# Altium PCB MB1312.PcbDoc (part 2 of 4)
Units mil, origin at the board's own origin, x right, y up, seen from the top; angles counter-clockwise.
Board outline 2755.91 x 5249.6 mil, 6 copper layers (Top Layer, GND, Signal, PWR, GND (Mid2), Bottom Layer), stack 74.545 mil thick; 297 components, 280 nets, 1142 pads, 623 vias.
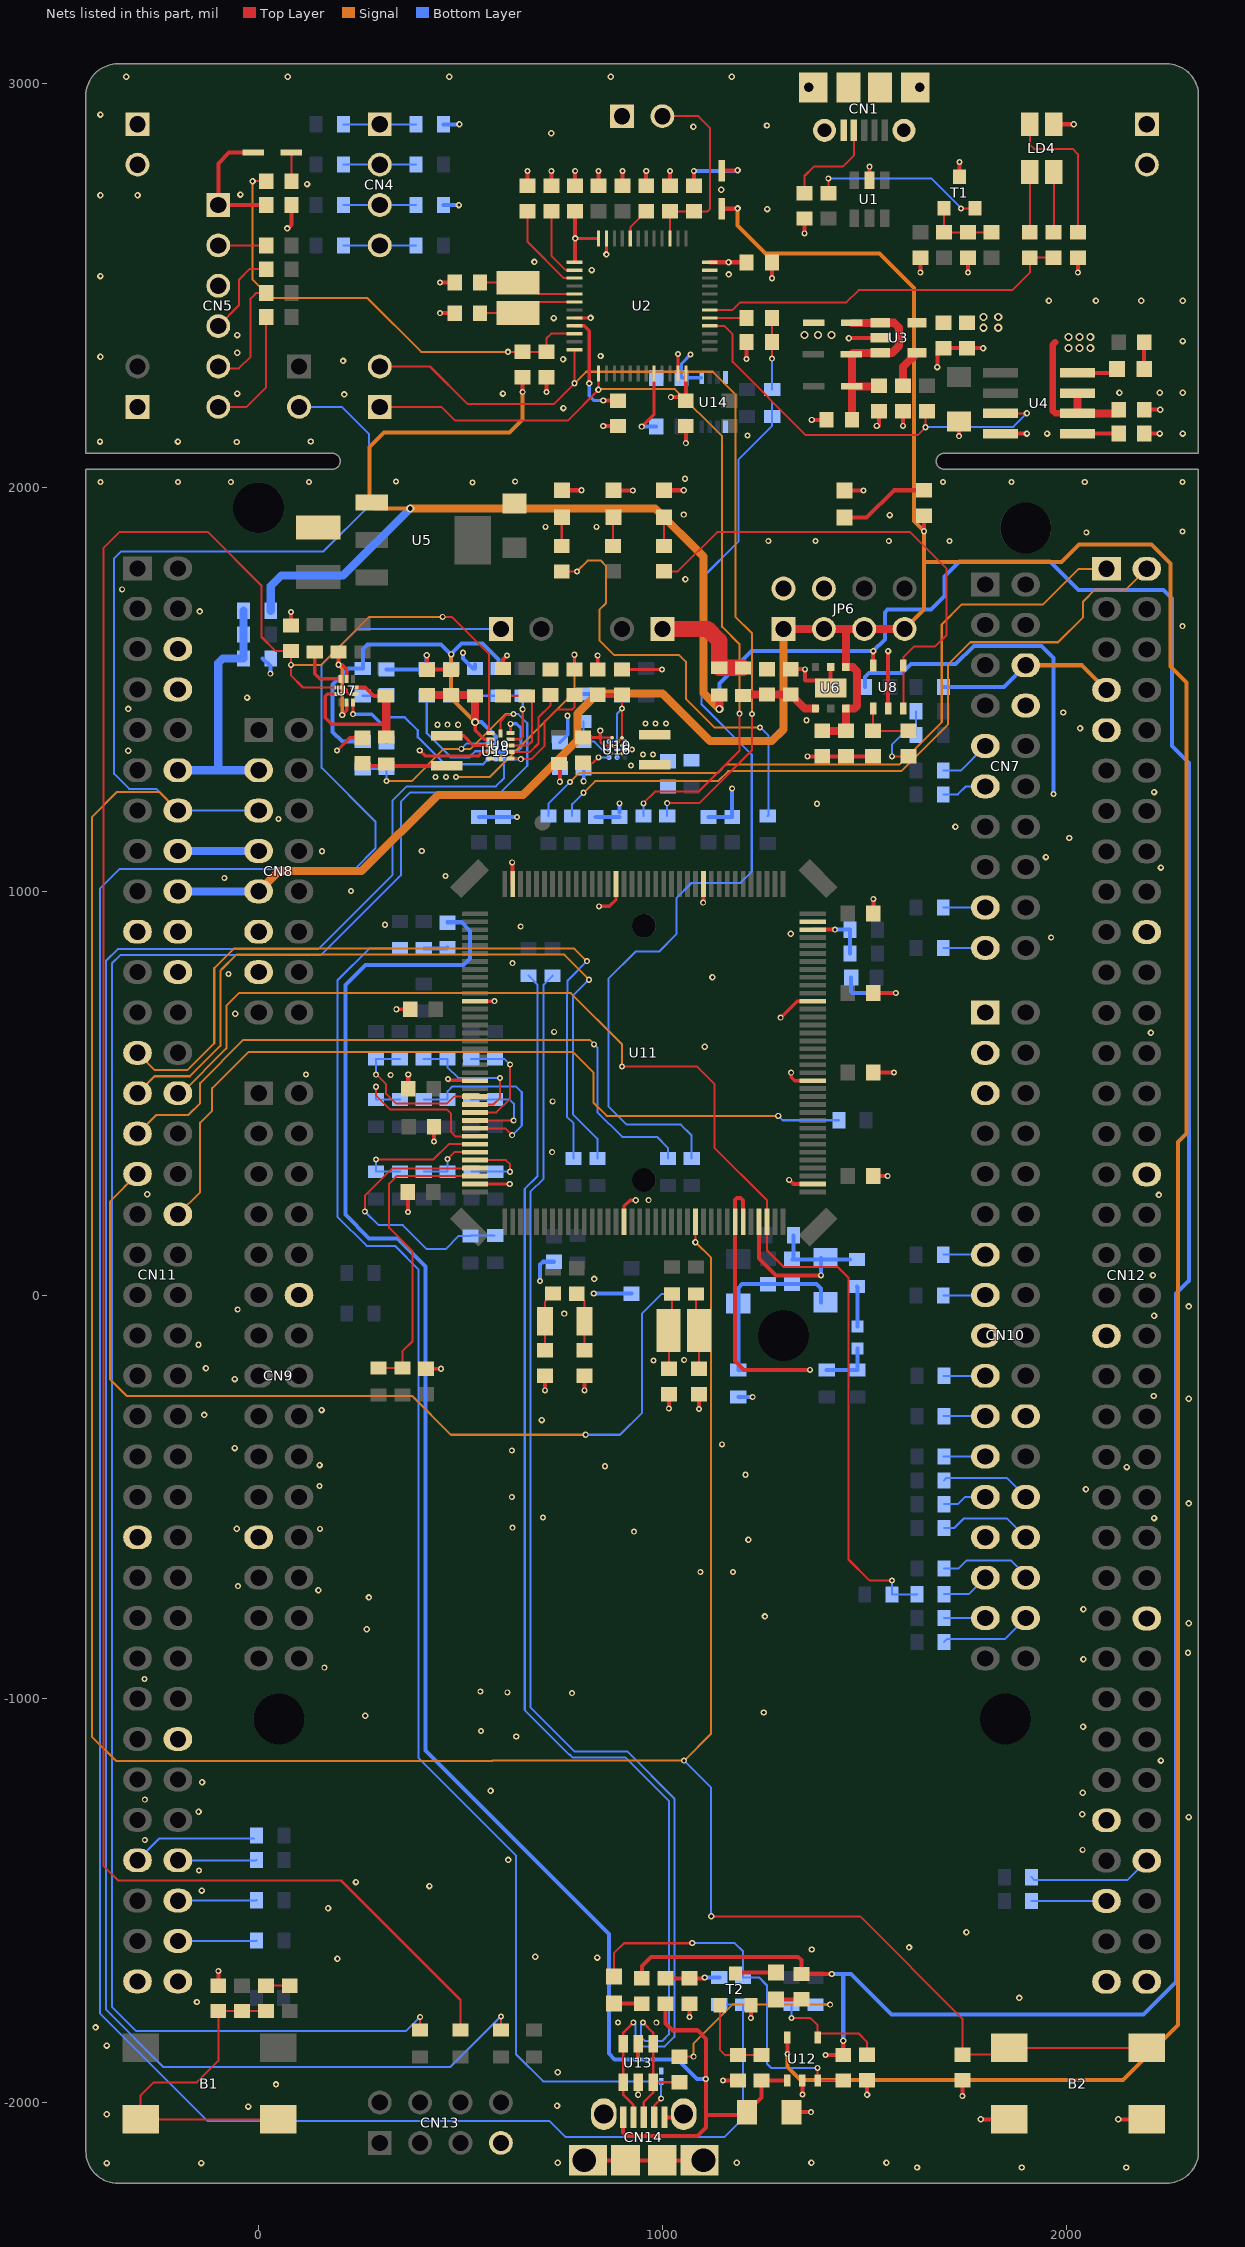
[diagram p6: the nets of this part, all layers, seen from the top]

## Part data
B1 B2: library part "SW PUSHBUTTON", "SE PUSHBUTTON"
C1 C2 C3 C4 C5 C6 C7 C8 C10 C11 C12 C13 C20 C26: library part Capacitor_ST, "Capacitor 0402 / 0603 / 0805"
C9 C14 C19 C27 C60: library part "CAP SMD 0603  X5R 1µF 25V 10%", "0603  X5R 1µ"
C15: library part "CAP SMD 0603  X7R 10000PF 50V 10%", "0603  X7R 10NF"
C16 C17 C18 C42: library part "Cap Pol1", "Polarized Capacitor (Radial)"
C21 C22 C25 C28 C29 C30 C31 C32 C33 C34 C39 C46 C47 C49 C50 C51 C53 C55 C57 C58 C61: library part Cap, "Capacitor"
C23 C24 C48: library part CAP_CC0603KRX7R9BB104, "Capacitor SMD 0603 100000pF X7R 50V +/-10%"
C35 C36 C37 C38 C40 C41: library part CAP, "Capacitor"
C43 C44 C45: library part Cap, "Capacitor,100nF,10%,16V,X7R,0603,YAGEO"
C52 C54: library part "CAP SMD 0603  X5R 1µF 25V 10%", "0603  X5R 4.7uF"
C56 C59: library part "Cap Pol1", "Tan Capacitor,1uF,10%,16V,Tan-A,TAJA105K016R"
CN2 CN3 CN6 JP1 JP2 JP3 JP4 JP5: library part JP2
CN4: "Header, 4-Pin, Single row"
CN5: "Header, 6-Pin, Single row"
CN7: "Header, 10-Pin, Dual row,female"
CN8: "Header, 8-Pin, Dual row,female"
CN9: "Header, 15-Pin, Dual row,female"
CN10: "Header, 17-Pin, Dual row,female"
CN11 CN12: "Header, 36-Pin, Dual row"
CN13: library part "Header 4X2_CN", "Header, 4-Pin, Dual row"
D2: library part Diode, "Default Diode"
D6: "Zener Diode ESDALC6V1-1U2"
JP6: "Header, 4-Pin, Dual row"
L1 L2 L3: library part Inductor, "Inductor"
LD1 LD2 LD3 LD5 LD6 LD7 LD8: library part LED2, "Typical RED, GREEN, YELLOW, AMBER GaAs LED"
LD4: "Bicolor Led"
R1 R2 R3 R4 R5 R7 R9 R10 R12 R13 R14 R15 R16 R18 R19 R20 R21 R23 R24 R25 R26 R27 R28 R50 R54: library part Resistor_ST, "Resistor 0402 / 0603 / 0805"
R6 R8 R11 R17 R22 R29 R30 R31 R32 R33 R34 R39 R40 R43 R44 R45 R52: library part Res1, "Resistor"
R35 R36 R37 R38 R41 R42 R46 R47 R48 R49 R51 R53: library part res1, "Resistor"
SB5 SB6 SB100 SB102 SB104 SB106 SB112 SB114 SB122 SB124 SB125 SB126 SB128 SB130 SB131 SB132 SB133 SB136 SB137 SB140 SB141 SB142 SB143 SB144 SB147 SB149 SB150 SB152 SB154 SB155 SB156 SB157 SB158 SB159 SB166 SB168 SB169 SB170 SB177 SB179 SB180 SB182 SB188 SB191 SB192 SB193 SB194 SB195 SB196 SB197: library part "Circuit Breaker_close", "Circuit Breaker"
SB12 SB13 SB19 SB101 SB103 SB105 SB107 SB108 SB109 SB110 SB111 SB113 SB116 SB119 SB120 SB121 SB123 SB127 SB129 SB145 SB146 SB148 SB151 SB153 SB167 SB178: library part "Circuit Breaker", "Circuit Breaker"
T1 T2: library part NPN, "NPN Bipolar Transistor"
TP1: library part TP
U2: "Medium-density performance line ARM-based 32-bit MCU with 64KB Flash"
U3: "200 mA low quiescent current very low noise LDO"
U5: library part LD1117
U6: library part LD39050P
U7: "Low voltage 0.5 O max dual SPDT switch with break-before-make"
U9: library part ST1PS022D1QTR, "400mA Nano-Quiescent?Synchronous step-down converter  with voltage selection, power good, Aux Switch"
U10: library part ST1PS01FJR, "400mA Nano-Quiescent?Synchronous step-down converter  with voltage selection and power good"
U12: library part STMPS2141STR
U15 U16: library part ADP5301, "UL Step down regulator"
X1 X3: library part XTAL, "Crystal Oscillator"
X2: library part CRYSTAL_32K, "Crystal"

## Free pads (board coordinates)
  round 125.98 hole 125.98 unplated: 0(0,1950) 0(50,-1050) 0(1300,-100) 0(1850,-1050) 0(1900,1900)

## Via types
v1: diameter 15, hole 8, Top Layer to Bottom Layer, tented both sides, 405 vias
v2: diameter 16, hole 8, Top Layer to Bottom Layer, tented both sides, 179 vias
v3: diameter 20, hole 12, Top Layer to Bottom Layer, tented both sides, 39 vias

## Nets (pads, with @x,y where several pads share a name; then routed paths per layer and width w, separated by ;. In a path a pad name is that pad's centre, name@x,y a point inside that pad or via, vN(x,y) a via of type N, cw(c..) or ccw(c..) an arc to the next point about the centre after c; other vN are vias at no path point)
+3V3: CN8.7 CN11.16 JP5.1 SB5.1 SB6.2 SB111.1 | length 523.8
  Top Layer w40: JP5.1@1000,1650 1111.85,1650 1141,1620.85 SB5.1@1141,1553.75 SB6.2@1199,1553.75
  Bottom Layer w10: 10,1577 29,1558 v1(29,1539.25)
  Bottom Layer w20: CN11.16@-200,1100 CN8.7@0,1100
+3V3_PER: R23.1 R41.2 R45.2 R51.1 SB5.2 SB110.1 U8.5 | length 9073.1
  Top Layer w10: v1(654,2236.7) R23.1@654,2273.2 ; R45.2@949,-1692.5 949,-1662 972,-1639 1336.5,-1639 1345.01,-1647.51 R41.2@1345.01,-1681.5 v1(1419.5,-1681.5) ; v1(1404,-1882) 1404.5,-1882.5 R51.1@1448,-1882.5 v1(1448,-1847) ; U8.5@1522.09,1559.15 v2(1522.09,1595)
  Top Layer w20: SB5.2@1140.75,1486 SB5.2@1141,1486.25 v3(1141,1452)
  Signal w10: v3(375.5,1948.5) 286.5,1948.5 275,1960 275,2100.94 310.06,2136 621.5,2136 654,2168.5 v1@654,2235
  Signal w20: v3(375.5,1948.5) 982.26,1948.5 1101.73,1829.03 1101.73,1491.27 v3(1141,1452)
  Bottom Layer w10: v3(1141,1452) 1141,1515 1221,1595 v2(1522.09,1595) 1551,1623.91 1551,1691 1558,1698 1665,1698 1699,1732 1699,1780 1736,1817 1960,1817 2031,1746 2241,1746 2262,1725 2262,1360.19 2304.5,1317.69 2304.5,35.5 2272.4,3.4 2272.4,-1701.6 2192,-1782 1568,-1782 1467.5,-1681.5 v1(1419.5,-1681.5) ; v1(1448,-1847) 1448,-1683.5
  Bottom Layer w20: SB110.1@30,1695 30,1756 56,1782 209,1782 v3(375.5,1948.5)
+3V3_ST_LINK: C1.2 C3.2 C8.2 C9.1 C12.2 C13.2 C43.2 JP1.1 R5.2 R13.2 SB101.2 T1.3 U2.1 U2.9 U2.24 U2.36 U2.48 U3.5 U14.1 | length 962.9
  Top Layer w8: U2.9@782.68,2400.79 806.41,2400.79 819,2388.2 v2(819,2258) ; v2(784,2617.27) 784.06,2617.32 U2.48@841.73,2617.32
  Top Layer w10: U2.1@784,2559.53 v2(784,2617.27) C1.2@784,2684.45 ; R5.2@842,2747.5 v1(842,2784) ; v1(853.5,2215.5) C12.2@890,2215.5 ; v1(1021,2224) 1049.5,2224 C13.2@1058,2215.5 ; C13.2@1058.27,2215.71 U2.24@1058.27,2282.68 ; U2.36@1117.32,2558.27 1208.24,2558.27 C3.2@1208.5,2558 v2@1170.27,2558 ; T1.3@1736,2770.37 v1(1736,2806.87) ; v1(2029,2533) R13.2@2029,2569.5
  Bottom Layer w8: v2(819,2258) 819,2227.5 831,2215.5 v1(853.5,2215.5) ; v1(1070,2330) 1047.5,2307.5 C43.2@1047.5,2272 U14.1@1096.23,2272
  Bottom Layer w10: SB101.2@457.75,2900 v2(497.25,2899.94)
  other v2: 1164,2558
  other v3: 1795,2396 1832,2396 1795,2423 1832,2423
+5V: C26.2 C27.1 CN8.9 CN11.18 D2.1 JP6.1 JP6.3 JP6.5 JP6.7 R28.2 U6.1 U6.6 U12.5 | length 9925.8
  Top Layer w10: D2.1@1147,2690.76 v2@1185.61,2690.76 ; v1(1309.6,-1879.54) U12.5@1309.6,-1838.85 ; v1(1648,1892) R28.2@1648,1930.5
  Top Layer w20: JP6.1@1300,1650 JP6.3@1400,1650 1454,1650 ; C26.2@1396,1397.5 C27.1@1455,1397.5 U6.6@1455,1452.22 ; U6.6@1454.4,1452.82 1475.82,1452.82 1482,1459 1482,1545 1471.82,1555.18 U6.1@1454.4,1555.18 1454.4,1649.6 1454,1650 ; JP6.7@1600,1650 JP6.5@1500,1650 1454,1650
  Signal w10: v2(1186.37,2691.51) 1186.37,2649.63 1256,2580 1538,2580 1623,2495 1623,1917 v1(1648,1892) 1648,1816 ; v1(1309.6,-1879.54) 1309.6,-1911.58 1342.02,-1944 2141,-1944 2277,-1808 2277,379 2298.7,400.7 2298.7,1517.3 2259,1557 2259,1812 2212,1859 2032,1859 1989,1816 1648,1816 ; JP6.7@1600,1650 1648,1698 1648,1816
  Signal w20: CN11.18@-200,995.6 CN11.18@-200,1000 ; CN8.9@-4.4,995.6 CN8.9@0,1000 50,1050 255,1050 444,1239 655,1239 790.13,1374.13 790.13,1440.87 839.26,1490 1000,1490 1118,1372 1271,1372 1300,1401 JP6.1@1300,1650 JP6.3@1400,1650 JP6.5@1500,1650 JP6.7@1600,1650
  Bottom Layer w20: CN11.18@-200,995.6 CN11.18@-200,1000 -8.8,1000 -4.4,995.6 CN8.9@0,1000
AGND: C45.2 C56.2 C57.2 C58.2 C59.2 CN10.3 CN12.32 SB166.2 U11.30 U11.31 | length 2170.9
  Top Layer w10: U11.31@1200.06,181.69 1200.06,233.94 1194,240 1185.01,240 1180.38,235.37 U11.30@1180.38,181.69 1180.38,-162.88 1202.75,-185.25 v1(1365.52,-185.25)
  Bottom Layer w10: v1(1365.52,-185.25) SB166.2@1188,-185.25 C56.2@1188,-20.5 1188,17.75 1197.55,27.3 C58.2@1321,27.3 1381.7,27.3 1393,16 C59.2@1393,-18.5 ; C45.2@1501.75,1506 1501.75,1530.52 1511.92,1540.69 1593.88,1540.69 1615.79,1562.6 1726.6,1562.6 1772,1608 1938.88,1608 1969,1577.88 v1(1969,1241)
AIN_1: R1.2 R23.2 R24.2 U2.10 | length 1188
  Top Layer w5: v2(-15,2759) R1.2@18.5,2759 ; v2(617.6,2336.2) R23.2@654,2336.2 R24.2@713,2336.2 713,2369.89 724.53,2381.42 782.68,2381.42 U2.10@782.68,2381.1
  Signal w5: v2(-15,2759) -15,2515 30.31,2469.69 268.84,2469.69 402.33,2336.2 v2(617.6,2336.2)
AVDD: C58.1 C59.1 CN10.1 SB149.1 SB152.2 U11.33 | length 506.5
  Top Layer w10: U11.33@1239.43,181.69 1239.5,181.63 1239.5,91.18 1281.68,49 v1(1393,49)
  Bottom Layer w10: SB149.1@1324.75,148 1324.75,90.45 1322.8,88.5 C59.1@1393,88.5 ; v1(1393,49) C59.1@1393,88.5 ; C59.1@1393,91.5 C59.1@1393,88.5 ; SB152.2@1465,88.5 C59.1@1393,88.5
E5V: CN11.6 D3.1 JP6.2
  other v3: 1352,2378 1385.5,2378 1419,2378
GND: B2.1 B2.4 C1.1 C2.1 C3.1 C4.1 C5.2 C6.2 C7.2 C8.1 C9.2 C10.1 C11.1 C12.1 C13.1 C14.1 C15.1 C16.2 C17.2 C18.2 C19.2 C20.1 C21.1 C22.1 C23.2 C24.2 C25.1 C26.1 C27.2 C28.2 C29.2 C30.2 C31.2 C32.2 C33.2 C34.2 C35.2 C36.2 C37.2 C38.2 C39.1 C41.1 C42.2 C43.1 C44.2 C46.1 C47.1 C48.2 C49.2 C50.2 C51.2 C52.2 C53.2 C54.2 C55.1 C60.2 C61.2 CN1.5 CN1.6 CN1.7 CN1.8 CN1.9 CN1.10 CN1.11 CN2.1 CN2.2 CN3.1 CN3.2 CN5.3 CN7.8 CN8.11 CN8.13 CN9.12 CN9.23 CN10.5 CN10.17 CN10.22 CN10.27 CN11.8 CN11.19 CN11.20 CN11.22 CN11.49 CN11.60 CN11.71 CN11.72 CN12.9 CN12.20 CN12.39 CN12.54 CN12.63 CN12.71 CN12.72 CN13.7 CN14.5 CN14.6 CN14.7 CN14.8 CN14.9 CN14.10 CN14.11 D6.2 JP2.1 LD1.2 LD2.2 LD3.2 LD4.1 LD6.2 R2.2 R3.1 R4.1 R6.2 R7.1 R10.2 R17.1 R24.1 R27.1 R32.2 R33.1 R35.1 R36.2 R38.2 R42.2 R47.2 R48.1 R52.1 R53.1 SB9.1 SB105.2 SB114.1 SB115.1 SB125.1 SB166.1 T2.2 U1.2 U2.8 U2.20 U2.23 U2.35 U2.47 U3.2 U4.4 U5.1 U6.0 U6.2 U7.8 U8.2 U9.4 U9.11 U10.A1 U10.C1 U10.D2 U11.16 U11.38 U11.51 U11.61 U11.71 U11.83 U11.94 U11.107 U11.120 U11.130 U11.143 U12.2 U13.2 U14.4 U14.5 U15.B1 U15.B2 U16.B1 U16.B2 | length 6306.4
  Top Layer w5: 846.15,1378.09 846.15,1369.85 854.9,1361.1 U10.C1@875.4,1361.1 876.32,1361.1 881.47,1355.94 883,1355.94 U10.D2@887.69,1351.26 ; 846.15,1380.78 U10.A1@875.4,1380.78
  Top Layer w8: v1(194,1348.75) 225.5,1380.25 C21.1@257.53,1380.25 ; v1(233.75,1438.75) U7.8@233.75,1467.47 ; v1(341,708) C29.2@375.5,708 ; v1(399,1348.75) 412.25,1335.5 545.5,1335.5 555.25,1345.25 U9.4@574.39,1345.25 ; C39.1@415,-182.5 v1(451.57,-182.5) ; v1@472.12,531.88 U11.130@526.71,531.88 ; U11.143@535.69,275.2 v1(622.02,275.2) v1@622.82,276 ; U11.120@535.69,727.95 v1(583.95,727.95) ; U9.11@623.61,1392.5 v1(623.61,1415) ; U2.8@782.68,2420.47 v2(822.18,2420.41) v2(822.18,2420.41) ; R35.1@803,1381.25 845.69,1381.25 ; C24.2@839.83,1549.75 v1(839.83,1584.13) ; v1(843,963) 868.84,963 885.1,979.26 U11.94@885.1,1018.31 ; 846.15,1378.09 846.15,1380.78 v1(846.15,1398.01) ; v2(861.42,2577.76) U2.47@861.42,2617.32 ; C25.1@900.31,1549.75 v1(999.25,1549.75) ; U11.16@904.79,181.69 904.79,219.79 920,235 v2(934,235) ; v1(948.98,2151) 979.53,2181.55 U2.20@979.53,2282.68 ; U2.23@1038.58,2282.68 v1@1038.58,2330.58 ; v1(1293,687) 1333.95,727.95 U11.61@1372.31,727.95 ; v1(1319,550.79) 1319,540 1327.9,531.1 U11.51@1372.31,531.1
  Top Layer w10: R42.2@-100,-1710.5 v1(-100,-1674) ; v2@73,2642 81.5,2650.5 R2.2@81.5,2700 ; R32.2@80,1658.5 v1(80,1692) ; C33.2@369.5,255 370,254.5 v1(370,206) ; C31.2@370.5,511 v1(370.5,546.02) ; v2@416.59,1584.71 C22.1@416.59,1549.25 C23.2@476.84,1549.25 ; v1(434.5,380.1) R38.2@434.5,417 ; v1(449,2432) C6.2@485.5,2432 ; v1(449,2508) C5.2@485.5,2508 ; v1(469,535) v1@472.12,531.88 ; SB9.1@605,1551.75 605,1574 v1(615,1584) ; U11.107@629.2,1018.31 v1@629.2,1070.79 ; R4.1@666,2747.5 v1(666,2784) ; v1(709,-236) C35.2@709,-199.5 ; v1(713,2236.7) R24.1@713,2273.2 ; R3.1@725,2747.5 v1(725,2784) ; LD3.2@752.75,1993.46 v1(799.75,1993.43) ; C1.1@784,2747.5 v1(784,2784) ; CN14.7@806.36,-2143.09 CN14.8@908.72,-2143.09 CN14.9@999.28,-2143.09 CN14.10@1101.64,-2143.09 ; v1(807,-236) C36.2@807,-199.5 ; v1(853.5,2152.5) C12.1@890,2152.5 ; CN14.6@866.4,-2024.2 CN14.6@879.2,-2037 ; LD2.2@879.76,1993 v1@926.73,1993 ; C2.1@901,2747.5 v1(901,2784) ; v1(940,-1980.74) U13.2@940,-1949.24 ; R7.1@960,2747.5 v1(960,2784) ; CN14.5@1005.18,-2036.79 1044.94,-2036.79 CN14.11@1052.82,-2028.91 ; LD1.2@1006,1993.47 v1@1052.97,1993.47 ; v1(1016,-281) C37.2@1016,-244.5 ; R6.2@1019,2747.5 v1(1019,2784) ; v1(1058,2110) C13.1@1058,2152.5 ; v1(1067,-1788) R47.2@1067,-1755.5 ; v1(1091,-282) C38.2@1091,-245.5 ; v1@1101.64,972.36 U11.83@1101.64,1018.31 ; v1(1150,-1945.55) 1150.05,-1945.5 R48.1@1187,-1945.5 ; v1(1208.5,2318.76) C7.2@1208.5,2361 ; v1(1219,-1791) 1219.59,-1790.41 T2.2@1219.59,-1759.37 ; v2(1271.5,2518.5) C3.1@1271.5,2558 ; v1(1314,285.5) 1324.3,275.2 U11.38@1372.31,275.2 ; C19.2@1318,1550.5 v1@1353,1550.5 ; C42.2@1320,-2024 v1(1368.36,-2024) ; v1(1347,-1980) U12.2@1347,-1945.15 ; v1(1352,2630) R10.2@1352,2666.5 ; 1353,1523.5 v1(1353,1550) v1@1354.5,1548.5 ; 1354.5,1522 U6.0@1391,1522 ; v1(1359.5,1334.5) C26.1@1396,1334.5 R36.2@1522,1334.5 ; v1(1370,2168) C10.1@1406.5,2168 ; U6.0@1417,1504 U6.2@1417,1555.18 ; LD6.2@1451.04,1992.79 v1(1498.04,1992.77) ; v2@1462,2371 U3.2@1531.85,2371 ; R52.1@1506.68,-1944.5 1506.68,-1980.68 v2(1507,-1981) ; U1.2@1513,2761.24 v1(1513,2795) ; C34.2@1522.5,295 v1(1558,295) ; C32.2@1522.5,551 v1(1574,551) ; C30.2@1522.5,748 v1(1578.18,748) ; C28.2@1522.5,945 v1@1522.5,980.5 ; v1(1531,2153) 1537,2153 C14.1@1537,2189.5 ; v2(1559,1595) 1559,1453.35 U8.2@1559.5,1452.85 ; v1(1596,2153) C15.1@1596,2189.5 ; v1(1639,2533) C4.1@1639,2569.5 ; v2(1681,2298.5) C8.1@1681,2338 ; C8.1@1696,2345.5 C9.2@1755,2345.5 v2(1794.5,2345.5) ; v1(1735,2127.5) C16.2@1735,2164 ; v1(1743,-1984) C41.1@1743,-1944.5 ; v1(1756.7,2533) R17.1@1756.7,2569.5 ; v2(1788.87,-2041.58) B2.1@1858.72,-2041.58 ; U4.4@1837.53,2134 v2(1903,2134) ; LD4.1@1969.53,2900.06 v2(2018.94,2900.06) ; v2(2129.42,-2041.58) B2.4@2199.28,-2041.58 ; R27.1@2193.5,2134 v2(2232,2134) ; C11.1@2193.5,2193 v2(2233,2193)
  Bottom Layer w5: U16.B2@887.69,1351.26 U16.B1@907.37,1351.26 v1(924.74,1351.26) v1@925,1351
  Bottom Layer w8: v1(233.75,1438.75) 280.25,1438.75 317,1402 C48.2@317,1368.5 ; U15.B2@588,1347 U15.B1@607.69,1347 639.58,1347 650,1357.42 650,1403.67 638.67,1415 v1(623.61,1415) ; C46.1@746,1368.5 765.46,1387.96 765.46,1434.54 v1(765,1435) ; SB125.1@805,1303.25 v1(805,1272.75) v1@807,1270.75
  Bottom Layer w10: R53.1@317,1549.5 SB114.1@414.05,1549.5 ; SB114.1@416.3,1551.75 v2(416.3,1585) ; SB105.2@457.75,2700 v2(496,2700) ; v1(506,1591) 506,1577.28 531.2,1552.08 SB115.1@535.6,1552.08 SB115.1@535.6,1562.08 ; C49.2@546,1184.25 C50.2@605,1184.25 v1(640.25,1184.25) ; v1(697,35) 697,75.22 704.29,82.5 C60.2@732,82.5 ; v1(830,4) 923.5,4 C61.2@924,3.5 ; C51.2@835,1184.25 C52.2@894,1184.25 ; C52.2@894,1195.5 v1(894,1218) ; v1(948.98,2151) C44.2@984.5,2151 ; C53.2@1114,1184.25 C54.2@1173,1184.25 v1(1173,1255) 1172,1254 v1@1172,1252.99 ; SB166.1@1188,-252.75 v1(1223.75,-252.75) ; C55.1@1467.5,787 1467.5,751.5 1471,748 v1(1578.18,748)
  other v1: 890,-1802 985,-1802.33 -148,-1425 2041,-1374 -282,-1350 -282,-1250 638,-1093.17 551,-1080 776,-986 616,-984 549,-982 -283,-951 162.7,-923 -51,-721 1094,-686 1175,-686 930,-586 152,-579 629,-576.21 704,-551 627,-500 151,-473 1206,-445 858,-424 627,-385.24 1148,-369.63 978,-162 1054,-161 757,-46 -52,-36 966,235 727,354 728.3,480 327,545 117.04,546.5 732,652 -75,795 629,822 1963,886 649,913 313,917.28 1101,972 1522.5,981 229.06,1001 -85,1033 463,1038 627.98,1072 157,1099.36 404,1100 49,1179 1383,1217 2288.5,1656.82 -338,1748 1262.5,1868 1379,1868 1561,1868 1711,1868 2050,1889 2288.5,1891 710.31,1903 837,1903 1053,1933 926.76,1992.97 1053,1993.44 530,2013 -391.5,2014 -199.5,2014 -69,2014 125,2014 1695,2014 1864.59,2014 2046.18,2014 2288.5,2014 340,2015 635.3,2015 1056,2022 129,2114 1211,2129 1039,2331
  other v2: 1631.03,-2161 1890,-2161 2148.97,-2161 -376.5,-2150 -142.25,-2150 741,-2149 1184,-2149 1369.21,-2149 1555,-2149 -376.5,-2029 -25.75,-2010.04 739.06,-2008 43,-1955.06 741,-1925 -376.5,-1859 -404,-1814 -153,-1751 1884,-1741 195,-1644 838.5,-1641 685,-1639 1370,-1621 1610.94,-1615.79 1753,-1578 172,-1519 -141,-1475 423,-1464 241,-1454 618,-1399 2304,-1292.86 2040,-1286 -148.74,-1279.7 2041,-1233 574.5,-1228 -140,-1206.5 2235,-1153 2042,-1069 264,-1042 1251,-1034 2043,-902 2302,-886 268,-828 2304,-813 1254,-795.84 2043,-778 273.25,-749 148,-731 1213,-606 -54,-579 2218.02,-552.5 2304,-515.94 2049,-481 2150,-426 151,-421 -59,-379 701,-309.5 -135,-297 156,-285 2304,-256.97 2217,-250 -59,-208.17 -130.5,-181.5 -149,-123 2218,-51 2304,-28 831,40 2215,49.25 2230,248 -276,250 1104.94,615 2210,650 -58,697 1124,787 1318,895 2235,1059 1950,1085 2008,1132.14 1726,1160 2218,1246 -323,1348 2034.5,1404 1357,1424 1993,1443 -323,1452 -28.66,1480 -146,1693.35 1057,1773 1563.22,1932 -54,2113 -393,2114 -200,2114 1953,2134 2289,2134 755,2197 212,2231 -53,2232.94 605,2232.94 2132,2235 2232,2235 2289,2235 209,2313.7 754,2318 -392,2323.94 847,2326 -53,2334 2289,2363 1462,2370 -53,2377.94 731,2420 1957.34,2463 2074,2463 2186,2463 2289,2463 -392,2523.94 1164.16,2528 825,2539 683,2559 71,2642 1260,2690 -392,2723.94 -300,2723.94 -45.07,2726 1146,2738 119.84,2752 725,2877.94 1077,2894 1259,2897 -392,2924 -328,3018 72,3018 472,3018 872,3018 1172,3018
IOREF: CN8.3 CN11.12 SB110.2 SB111.2 SB112.2 | length 651.9
  Bottom Layer w20: CN11.12@-200,1300 -102,1300 ; SB110.2@-37.5,1695 SB112.2@-37.5,1636 SB111.2@-37.5,1577 -89,1577 -100,1566 -100,1302 -102,1300 ; CN8.3@0,1300 -102,1300
LED_STLINK: R12.1 R18.1 U2.30 | length 927.5
  Top Layer w5: U2.30@1117.32,2440.16 1117.98,2439.5 1172.92,2439.5 1192.42,2459 1455.91,2459 1485.91,2489 1866.5,2489 1910,2532.5 R12.1@1910,2569.5 R18.1@1969,2569.5
MCO: SB109.1 SB148.2 | length 2410.7
  Bottom Layer w5: SB148.2@1072.7,338.75 1072.7,395.3 1046,422 912,422 866,468 866,783 934,851 991.79,851 1034.89,894.11 1034.89,983.4 1072.22,1020.72 1193.28,1020.72 1221.37,1048.81 1221.37,1338.63 1096.9,1463.1 1096.9,1774.9 1188,1866 1188,2069 1272,2153 SB109.1@1272,2176 1272,2209.25
NetB1_1: B1.1 B1.4 C40.2 R42.1 R43.1 | length 869
  Top Layer w5: C40.2@18,-1773.5 R43.1@-41,-1773.5 R42.1@-100,-1773.5 -100,-1897 -153,-1950 -260,-1950 -292.28,-1982.28 B1.1@-292.28,-2041.58 B1.4@48.28,-2041.58
NetC7_1: C7.1 R21.2 SB109.2 | length 176.7
  Top Layer w5: v1(1271.5,2319.5) C7.1@1271.5,2361 R21.2@1271.5,2420
  Bottom Layer w5: v1(1271.5,2319.5) 1271.5,2244 SB109.2@1272,2243.5
NetC10_2: C10.2 C14.2 D3.2 D4.2 D5.2 U3.1 U3.3 | length 520.7
  Top Layer w20: D4.2@1468.24,2330 1471.84,2333.6 U3.3@1539.72,2333.6 1568.6,2333.6 1586,2351 1586,2396 1573.6,2408.4 U3.1@1539.72,2408.4 ; D4.2@1469.24,2329 D5.2@1469.24,2251 ; D3.2@1469.24,2408 U3.1@1539.72,2408 ; C10.2@1469.5,2168 1469.24,2168.25 D5.2@1469.24,2251 ; C14.2@1535.5,2251 D5.2@1469.24,2251
NetC11_2: C11.2 JP6.4 U4.6 U4.7 | length 388.2
  Top Layer w16: 1972.75,2360 1967.17,2354.42 1967.17,2189.83 1973,2184 U4.6@2028.47,2184
  Top Layer w20: U4.7@2028.47,2234 U4.6@2028.47,2184 C11.2@2130.5,2184
  other v3: 2006,2346 2033,2346 2060,2346 2006,2373 2033,2373 2060,2373
NetC15_2: C15.2 U3.4 | length 95.3
  Top Layer w20: C15.2@1596,2252.5 1596,2299.32 U3.4@1630.28,2333.6
NetC19_1: C19.1 C20.2 SB6.1 U6.4 | length 194.9
  Top Layer w20: SB6.1@1200,1485.25 1202.25,1487.5 C20.2@1259,1487.5 C19.1@1318,1487.5 1352.69,1452.82 U6.4@1379.6,1452.82
NetC21_2: C21.2 L1.2 R34.1 SB7.1 U9.5 U15.C2 | length 723.2
  Top Layer w5: C21.2@255.23,1317.5 C21.2@257.53,1317.5 ; R34.1@782,1549.5 v1(782,1586)
  Top Layer w10: C21.2@257.53,1317.25 264.18,1310.6 L1.2@466,1310.6